# Altium PCB ui_brd_raton_v0.PcbDoc (part 3 of 4) (continued)
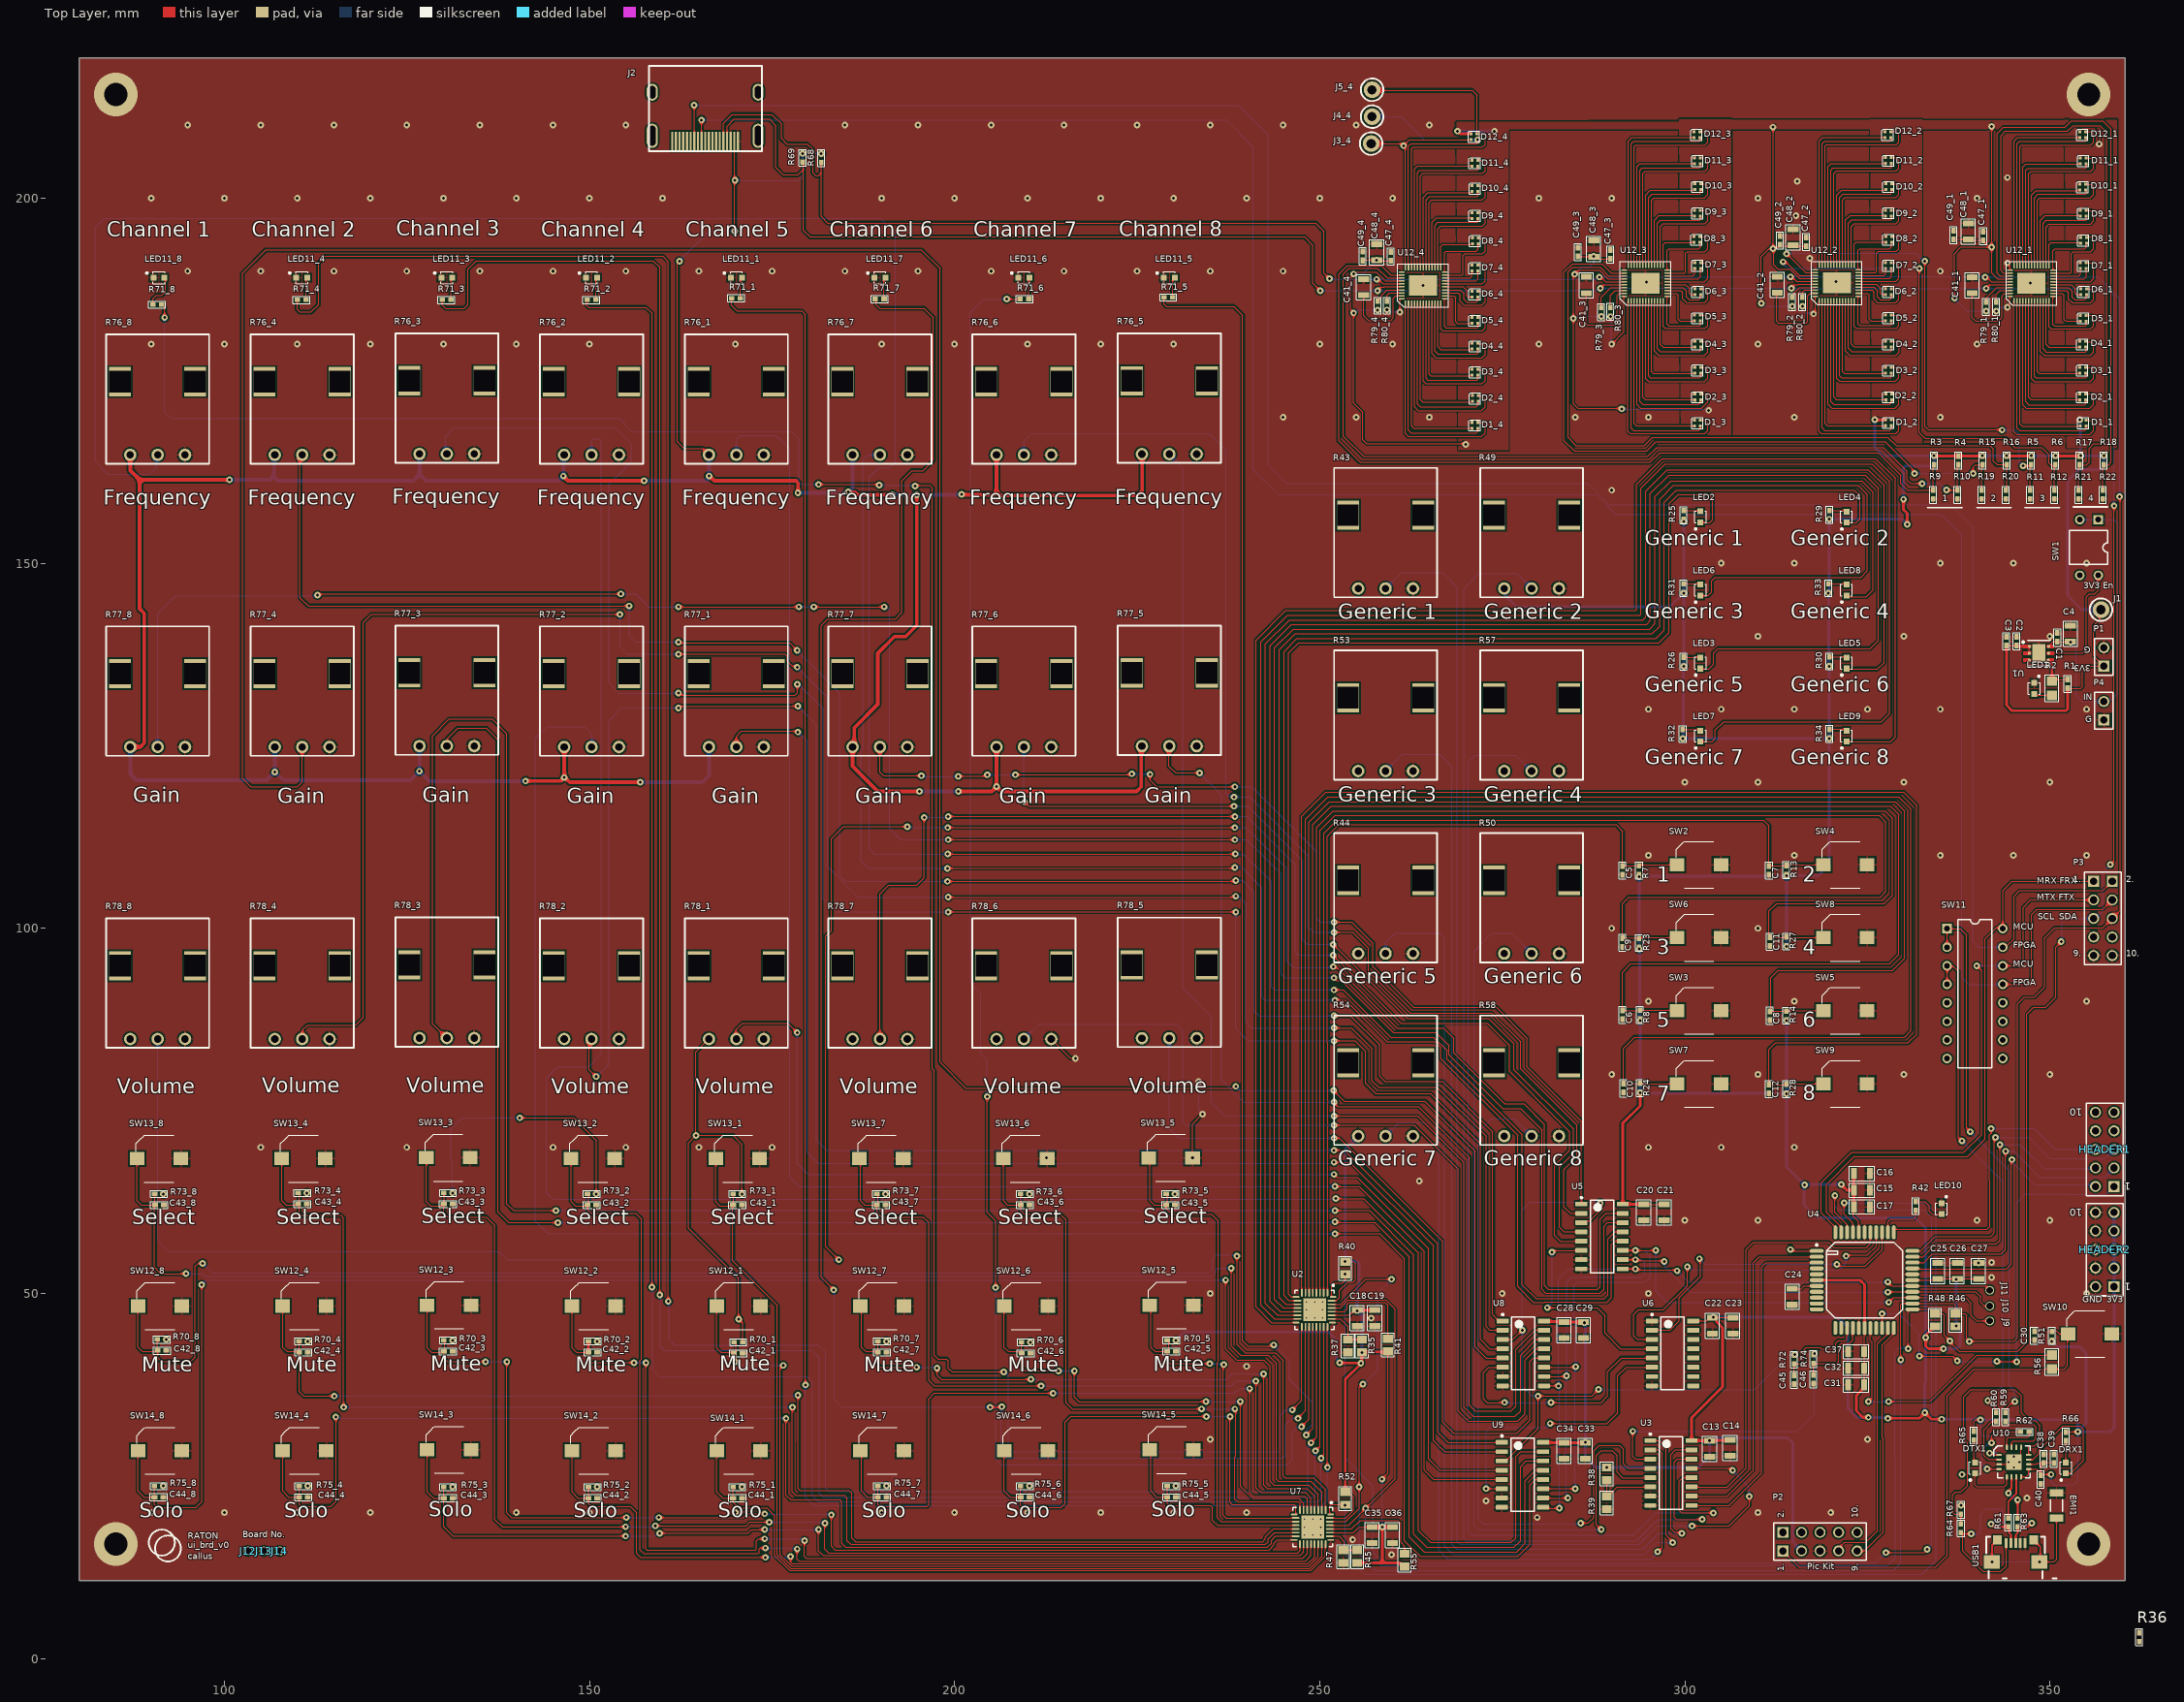
[diagram p0: Top Layer view]
## Nets (pads, with @x,y where several pads share a name; then routed paths per layer and width w, separated by ;. In a path a pad name is that pad's centre, name@x,y a point inside that pad or via, vN(x,y) a via of type N, cw(c..) or ccw(c..) an arc to the next point about the centre after c; other vN are vias at no path point) (continued)
  Bottom Layer w0.152: v1(253.487,52.621) 253.487,27.437 257.302,23.622 257.302,14.605 258.826,13.081 326.136,13.081 v1@327.533,14.478 ; v1(320.543,63.402) 320.543,61.981 321.056,61.468 332.74,61.468 333.82,60.388 333.82,15.558 333.197,14.935 v1(333.168,14.935)
IO_1: HEADER1.1 U4.20 | length 61.6
  Top Layer w0.152: U4.20@327.012,45.266 v1(327.012,47.231) 327.025,47.244 v1@327.025,47.498 ; v1(332.105,41.402) 336.677,41.402 v1(337.312,40.767) ; v1(342.718,40.682) 342.76,40.64 v1(345.44,40.64) v1@345.821,40.64
  Bottom Layer w0.152: v1(327.012,47.231) 329.324,47.231 332.105,44.45 v1(332.105,41.402) ; v1(337.312,40.767) 337.439,40.64 v1@342.646,40.64 ; v1(345.44,40.64) 345.44,62.357 346.71,63.627 352.17,63.627 352.234,63.563 357.695,63.563 HEADER1.1@358.775,64.643
IO_2: HEADER1.2 U4.30 | length 41.4
  Top Layer w0.152: U4.30@331.162,53.416 331.238,53.34 344.043,53.34 344.678,53.975 344.678,68.199 v1(344.805,68.326)
  Bottom Layer w0.152: v1(344.805,68.326) 344.805,68.124 344.741,68.061 347.905,64.897 355.981,64.897 HEADER1.2@356.235,64.643
IO_3: HEADER1.3 U4.31 | length 43.8
  Top Layer w0.152: U4.31@331.162,54.216 332.727,54.216 333.883,55.372 343.281,55.372 343.916,56.007 v1(343.916,69.469)
  Bottom Layer w0.152: v1(343.916,69.469) 345.059,69.469 348.615,65.913 357.505,65.913 HEADER1.3@358.775,67.183
IO_4: HEADER1.4 U4.32 | length 40.5
  Top Layer w0.152: U4.32@331.162,55.016 332.638,55.016 334.391,56.769 342.646,56.769 343.154,57.277 343.154,63.636 343.136,63.654 343.136,70.34 v1(343.154,70.358)
  Bottom Layer w0.152: v1(343.154,70.358) 345.948,70.358 349.25,67.056 356.108,67.056 HEADER1.4@356.235,67.183
IO_5: HEADER1.5 U4.33 | length 43.4
  Top Layer w0.152: U4.33@331.162,55.816 332.295,55.816 334.264,57.785 341.884,57.785 342.392,58.293 342.392,64.478 342.374,64.496 342.374,70.681 342.388,70.695 342.388,71.243 v1(342.519,71.374)
  Bottom Layer w0.152: v1(342.519,71.374) 342.582,71.31 347.154,71.31 350.012,68.453 357.505,68.453 HEADER1.5@358.775,69.723
IO_6: HEADER1.6 U4.34 | length 42.6
  Top Layer w0.152: U4.34@328.612,58.366 328.612,58.617 328.796,58.801 341.376,58.801 341.757,59.182 341.757,65.43 341.739,65.449 341.739,71.697 341.944,71.902 341.944,72.577 v1(341.947,72.581)
  Bottom Layer w0.152: v1(341.947,72.581) 347.789,72.581 350.647,69.723 HEADER1.6@356.235,69.723
LED1_B_1: D1_1.4 U12_1.3 | length 25.2
  Top Layer w0.152: U12_1.3@345.872,185.891 345.872,169.113 346.202,168.783 354.159,168.783 D1_1.4@354.165,168.789
LED1_B_2: D1_2.4 U12_2.3 | length 25.2
  Top Layer w0.152: U12_2.3@319.202,185.929 319.202,169.151 319.532,168.821 327.489,168.821 D1_2.4@327.495,168.827
LED1_B_3: D1_3.4 U12_3.3 | length 25.2
  Top Layer w0.152: U12_3.3@293.04,185.929 293.04,169.126 293.364,168.802 301.321,168.802 D1_3.4@301.327,168.808
LED1_B_4: D1_4.4 U12_4.3 | length 25.2
  Top Layer w0.152: U12_4.3@262.56,185.593 262.56,168.815 262.89,168.485 270.847,168.485 D1_4.4@270.853,168.491
LED1_G_1: D1_1.3 U12_1.2 | length 27.5
  Top Layer w0.152: U12_1.2@345.472,185.891 345.472,168.497 345.821,168.148 354.711,168.148 354.965,168.402 D1_1.3@354.965,168.789
LED1_G_2: D1_2.3 U12_2.2 | length 27.5
  Top Layer w0.152: U12_2.2@318.802,185.929 318.802,168.535 319.151,168.186 328.041,168.186 328.295,168.44 D1_2.3@328.295,168.827
LED1_G_3: D1_3.3 U12_3.2 | length 27.5
  Top Layer w0.152: U12_3.2@292.64,185.929 292.64,168.51 292.983,168.167 301.873,168.167 302.127,168.421 D1_3.3@302.127,168.808
LED1_G_4: D1_4.3 U12_4.2 | length 27.5
  Top Layer w0.152: U12_4.2@262.16,185.593 262.16,168.199 262.509,167.85 271.399,167.85 271.653,168.104 D1_4.3@271.653,168.491
LED1_R_1: D1_1.2 U12_1.1 | length 31.4
  Top Layer w0.152: U12_1.1@345.042,185.861 345.042,168.038 345.44,167.64 355.473,167.64 355.981,168.148 355.981,169.291 355.683,169.589 D1_1.2@354.965,169.589
LED1_R_2: D1_2.2 U12_2.1 | length 31.3
  Top Layer w0.152: U12_2.1@318.372,185.899 318.372,168.076 318.681,167.767 328.892,167.767 329.311,168.186 329.311,169.329 329.013,169.627 D1_2.2@328.295,169.627
LED1_R_3: D1_3.2 U12_3.1 | length 31.3
  Top Layer w0.152: U12_3.1@292.21,185.899 292.21,168.051 292.494,167.767 302.743,167.767 303.143,168.167 303.143,169.31 302.845,169.608 D1_3.2@302.127,169.608
LED1_R_4: D1_4.2 U12_4.1 | length 31.4
  Top Layer w0.152: U12_4.1@261.73,185.563 261.73,167.74 262.128,167.342 272.161,167.342 272.669,167.85 272.669,168.993 272.371,169.291 D1_4.2@271.653,169.291
LED2_B_1: D2_1.4 U12_1.6 | length 20.4
  Top Layer w0.152: U12_1.6@347.072,185.891 347.072,172.739 347.431,172.38 D2_1.4@354.165,172.38
LED2_B_2: D2_2.4 U12_2.6 | length 20.4
  Top Layer w0.152: U12_2.6@320.402,185.929 320.402,172.777 320.761,172.418 D2_2.4@327.495,172.418
LED2_B_3: D2_3.4 U12_3.6 | length 20.4
  Top Layer w0.152: U12_3.6@294.24,185.929 294.24,172.752 294.593,172.399 D2_3.4@301.327,172.399
LED2_B_4: D2_4.4 U12_4.6 | length 20.4
  Top Layer w0.152: U12_4.6@263.76,185.593 263.76,172.441 264.119,172.082 D2_4.4@270.853,172.082
LED2_G_1: D2_1.3 U12_1.5 | length 22.8
  Top Layer w0.152: U12_1.5@346.672,185.891 346.672,172.123 347.091,171.704 354.711,171.704 354.965,171.958 D2_1.3@354.965,172.38
LED2_G_2: D2_2.3 U12_2.5 | length 22.8
  Top Layer w0.152: U12_2.5@320.002,185.929 320.002,172.161 320.421,171.742 328.041,171.742 328.295,171.996 D2_2.3@328.295,172.418
LED2_G_3: D2_3.3 U12_3.5 | length 22.8
  Top Layer w0.152: U12_3.5@293.84,185.929 293.84,172.136 294.253,171.723 301.873,171.723 302.127,171.977 D2_3.3@302.127,172.399
LED2_G_4: D2_4.3 U12_4.5 | length 22.8
  Top Layer w0.152: U12_4.5@263.36,185.593 263.36,171.825 263.779,171.406 271.399,171.406 271.653,171.66 D2_4.3@271.653,172.082
LED2_R_1: D2_1.2 U12_1.4 | length 26.6
  Top Layer w0.152: U12_1.4@346.272,185.891 346.272,171.704 346.78,171.196 355.438,171.196 355.981,171.739 355.981,172.882 355.683,173.18 D2_1.2@354.965,173.18
LED2_R_2: D2_2.2 U12_2.4 | length 26.6
  Top Layer w0.152: U12_2.4@319.602,185.929 319.602,171.742 320.11,171.234 328.768,171.234 329.311,171.777 329.311,172.92 329.013,173.218 D2_2.2@328.295,173.218
LED2_R_3: D2_3.2 U12_3.4 | length 26.4
  Top Layer w0.152: U12_3.4@293.44,185.929 293.44,171.717 293.942,171.215 302.279,171.215 303.143,172.079 303.143,172.901 302.845,173.199 D2_3.2@302.127,173.199
LED2_R_4: D2_4.2 U12_4.4 | length 26.6
  Top Layer w0.152: U12_4.4@262.96,185.593 262.96,171.406 263.468,170.898 272.126,170.898 272.669,171.441 272.669,172.584 272.371,172.882 D2_4.2@271.653,172.882
LED3_B_1: D3_1.4 U12_1.9 | length 15.7
  Top Layer w0.152: U12_1.9@348.272,185.891 348.272,176.238 348.54,175.97 D3_1.4@354.165,175.97
LED3_B_2: D3_2.4 U12_2.9 | length 15.7
  Top Layer w0.152: U12_2.9@321.602,185.929 321.602,176.276 321.87,176.008 D3_2.4@327.495,176.008
LED3_B_3: D3_3.4 U12_3.9 | length 15.7
  Top Layer w0.152: U12_3.9@295.434,185.91 295.434,176.257 295.702,175.989 D3_3.4@301.327,175.989
LED3_B_4: D3_4.4 U12_4.9 | length 15.7
  Top Layer w0.152: U12_4.9@264.96,185.593 264.96,175.94 265.228,175.672 D3_4.4@270.853,175.672
LED3_G_1: D3_1.3 U12_1.8 | length 18
  Top Layer w0.152: U12_1.8@347.872,185.891 347.872,175.622 348.107,175.387 354.876,175.387 354.965,175.476 D3_1.3@354.965,175.97
LED3_G_2: D3_2.3 U12_2.8 | length 18
  Top Layer w0.152: U12_2.8@321.202,185.929 321.202,175.66 321.437,175.425 328.206,175.425 328.295,175.514 D3_2.3@328.295,176.008
LED3_G_3: D3_3.3 U12_3.8 | length 18
  Top Layer w0.152: U12_3.8@295.034,185.91 295.034,175.641 295.269,175.406 302.038,175.406 302.127,175.495 D3_3.3@302.127,175.989
LED3_G_4: D3_4.3 U12_4.8 | length 18
  Top Layer w0.152: U12_4.8@264.56,185.593 264.56,175.324 264.795,175.089 271.564,175.089 271.653,175.178 D3_4.3@271.653,175.672
LED3_R_1: D3_1.2 U12_1.7 | length 21.8
  Top Layer w0.152: U12_1.7@347.472,185.891 347.472,175.26 347.853,174.879 355.531,174.879 355.981,175.329 355.981,176.472 355.683,176.77 D3_1.2@354.965,176.77
LED3_R_2: D3_2.2 U12_2.7 | length 21.8
  Top Layer w0.152: U12_2.7@320.802,185.929 320.802,175.298 321.183,174.917 328.861,174.917 329.311,175.367 329.311,176.51 329.013,176.808 D3_2.2@328.295,176.808
LED3_R_3: D3_3.2 U12_3.7 | length 21.8
  Top Layer w0.152: U12_3.7@294.64,185.929 294.64,175.273 295.015,174.898 302.693,174.898 303.143,175.348 303.143,176.491 302.845,176.789 D3_3.2@302.127,176.789
LED3_R_4: D3_4.2 U12_4.7 | length 21.8
  Top Layer w0.152: U12_4.7@264.16,185.593 264.16,174.962 264.541,174.581 272.219,174.581 272.669,175.031 272.669,176.174 272.371,176.472 D3_4.2@271.653,176.472
LED4_B_1: D4_1.4 U12_1.12 | length 10.8
  Top Layer w0.152: U12_1.12@349.472,185.891 349.472,179.991 349.885,179.578 354.148,179.578 D4_1.4@354.165,179.561
LED4_B_2: D4_2.4 U12_2.12 | length 10.8
  Top Layer w0.152: U12_2.12@322.802,185.929 322.802,180.029 323.215,179.616 327.478,179.616 D4_2.4@327.495,179.599
LED4_B_3: D4_3.4 U12_3.12 | length 10.8
  Top Layer w0.152: U12_3.12@296.634,185.91 296.634,180.01 297.047,179.597 301.31,179.597 D4_3.4@301.327,179.58
LED4_B_4: D4_4.4 U12_4.12 | length 10.8
  Top Layer w0.152: U12_4.12@266.16,185.593 266.16,179.693 266.573,179.28 270.836,179.28 D4_4.4@270.853,179.263
LED4_G_1: D4_1.3 U12_1.11 | length 13.1
  Top Layer w0.152: U12_1.11@349.072,185.891 349.072,179.375 349.504,178.943 354.838,178.943 354.965,179.07 D4_1.3@354.965,179.561
LED4_G_2: D4_2.3 U12_2.11 | length 13.1
  Top Layer w0.152: U12_2.11@322.402,185.929 322.402,179.413 322.834,178.981 328.168,178.981 328.295,179.108 D4_2.3@328.295,179.599
LED4_G_3: D4_3.3 U12_3.11 | length 13.1
  Top Layer w0.152: U12_3.11@296.234,185.91 296.234,179.394 296.666,178.962 302,178.962 302.127,179.089 D4_3.3@302.127,179.58
LED4_G_4: D4_4.3 U12_4.11 | length 13.1
  Top Layer w0.152: U12_4.11@265.76,185.593 265.76,179.077 266.192,178.645 271.526,178.645 271.653,178.772 D4_4.3@271.653,179.263
LED4_R_1: D4_1.2 U12_1.10 | length 17
  Top Layer w0.152: U12_1.10@348.672,185.891 348.672,179.013 349.25,178.435 355.538,178.435 356.002,178.899 356.002,180.042 355.704,180.34 354.986,180.34 D4_1.2@354.965,180.361
LED4_R_2: D4_2.2 U12_2.10 | length 17
  Top Layer w0.152: U12_2.10@322.002,185.929 322.002,179.051 322.58,178.473 328.868,178.473 329.332,178.937 329.332,180.08 329.034,180.378 328.316,180.378 D4_2.2@328.295,180.399
LED4_R_3: D4_3.2 U12_3.10 | length 17
  Top Layer w0.152: U12_3.10@295.834,185.91 295.834,179.032 296.412,178.454 302.7,178.454 303.164,178.918 303.164,180.061 302.866,180.359 302.148,180.359 D4_3.2@302.127,180.38
LED4_R_4: D4_4.2 U12_4.10 | length 17
  Top Layer w0.152: U12_4.10@265.36,185.593 265.36,178.715 265.938,178.137 272.226,178.137 272.69,178.601 272.69,179.744 272.392,180.042 271.674,180.042 D4_4.2@271.653,180.063
LED5_B_1: D5_1.4 U12_1.15 | length 7.3
  Top Layer w0.152: U12_1.15@350.422,186.941 351.666,186.941 351.917,186.69 351.917,183.388 352.171,183.134 354.147,183.134 D5_1.4@354.165,183.152
LED5_B_2: D5_2.4 U12_2.15 | length 7.3
  Top Layer w0.152: U12_2.15@323.752,186.979 324.996,186.979 325.247,186.728 325.247,183.426 325.501,183.172 327.477,183.172 D5_2.4@327.495,183.19
LED5_B_3: D5_3.4 U12_3.15 | length 7.3
  Top Layer w0.152: U12_3.15@297.584,186.96 298.828,186.96 299.079,186.709 299.079,183.407 299.333,183.153 301.309,183.153 D5_3.4@301.327,183.171
LED5_B_4: D5_4.4 U12_4.15 | length 7.3
  Top Layer w0.152: U12_4.15@267.11,186.643 268.354,186.643 268.605,186.392 268.605,183.09 268.859,182.836 270.835,182.836 D5_4.4@270.853,182.854
LED5_G_1: D5_1.3 U12_1.14 | length 9
  Top Layer w0.152: U12_1.14@350.422,186.541 350.422,182.724 350.647,182.499 354.838,182.499 354.965,182.626 D5_1.3@354.965,183.152
LED5_G_2: D5_2.3 U12_2.14 | length 9
  Top Layer w0.152: U12_2.14@323.752,186.579 323.752,182.762 323.977,182.537 328.168,182.537 328.295,182.664 D5_2.3@328.295,183.19
LED5_G_3: D5_3.3 U12_3.14 | length 9
  Top Layer w0.152: U12_3.14@297.584,186.56 297.584,182.743 297.809,182.518 302,182.518 302.127,182.645 D5_3.3@302.127,183.171
LED5_G_4: D5_4.3 U12_4.14 | length 9
  Top Layer w0.152: U12_4.14@267.11,186.243 267.11,182.426 267.335,182.201 271.526,182.201 271.653,182.328 D5_4.3@271.653,182.854
LED5_R_1: D5_1.2 U12_1.13 | length 12.2
  Top Layer w0.152: U12_1.13@349.872,185.891 349.872,182.385 350.139,182.118 355.6,182.118 ; D5_1.2@354.965,183.952 355.683,183.952 355.981,183.654 355.981,182.511 355.6,182.13
LED5_R_2: D5_2.2 U12_2.13 | length 12.2
  Top Layer w0.152: U12_2.13@323.202,185.929 323.202,182.423 323.469,182.156 328.93,182.156 ; D5_2.2@328.295,183.99 329.013,183.99 329.311,183.692 329.311,182.549 328.93,182.168
LED5_R_3: D5_3.2 U12_3.13 | length 12.2
  Top Layer w0.152: U12_3.13@297.034,185.91 297.034,182.404 297.301,182.137 302.762,182.137 ; D5_3.2@302.127,183.971 302.845,183.971 303.143,183.673 303.143,182.53 302.762,182.149
LED5_R_4: D5_4.2 U12_4.13 | length 12.2
  Top Layer w0.152: U12_4.13@266.56,185.593 266.56,182.087 266.827,181.82 272.288,181.82 ; D5_4.2@271.653,183.654 272.371,183.654 272.669,183.356 272.669,182.213 272.288,181.832
LED6_B_1: D6_1.4 U12_1.18 | length 4.7
  Top Layer w0.152: U12_1.18@350.422,188.141 352.933,188.141 353.441,187.633 353.441,186.944 353.643,186.742 D6_1.4@354.165,186.742
LED6_B_2: D6_2.4 U12_2.18 | length 4.7
  Top Layer w0.152: U12_2.18@323.752,188.179 326.263,188.179 326.771,187.671 326.771,186.982 326.973,186.78 D6_2.4@327.495,186.78
LED6_B_3: D6_3.4 U12_3.18 | length 4.7
  Top Layer w0.152: U12_3.18@297.584,188.16 300.095,188.16 300.603,187.652 300.603,186.963 300.805,186.761 D6_3.4@301.327,186.761
LED6_B_4: D6_4.4 U12_4.18 | length 4.7
  Top Layer w0.152: U12_4.18@267.11,187.843 269.621,187.843 270.129,187.335 270.129,186.646 270.331,186.444 D6_4.4@270.853,186.444
LED6_G_1: D6_1.3 U12_1.17 | length 6.2
  Top Layer w0.152: U12_1.17@350.422,187.741 352.552,187.741 353.06,187.233 353.06,186.436 353.441,186.055 354.711,186.055 354.965,186.309 D6_1.3@354.965,186.742
LED6_G_2: D6_2.3 U12_2.17 | length 6.2
  Top Layer w0.152: U12_2.17@323.752,187.779 325.882,187.779 326.39,187.271 326.39,186.474 326.771,186.093 328.041,186.093 328.295,186.347 D6_2.3@328.295,186.78
LED6_G_3: D6_3.3 U12_3.17 | length 6.2
  Top Layer w0.152: U12_3.17@297.584,187.76 299.714,187.76 300.222,187.252 300.222,186.455 300.603,186.074 301.873,186.074 302.127,186.328 D6_3.3@302.127,186.761
LED6_G_4: D6_4.3 U12_4.17 | length 6.2
  Top Layer w0.152: U12_4.17@267.11,187.443 269.24,187.443 269.748,186.935 269.748,186.138 270.129,185.757 271.399,185.757 271.653,186.011 D6_4.3@271.653,186.444
LED6_R_1: D6_1.2 U12_1.16 | length 9.2
  Top Layer w0.152: U12_1.16@350.422,187.341 352.282,187.341 352.552,187.071 352.552,186.182 353.06,185.674 355.554,185.674 355.981,186.101 355.981,187.244 355.683,187.542 D6_1.2@354.965,187.542
LED6_R_2: D6_2.2 U12_2.16 | length 9.2
  Top Layer w0.152: U12_2.16@323.752,187.379 325.612,187.379 325.882,187.109 325.882,186.22 326.39,185.712 328.884,185.712 329.311,186.139 329.311,187.282 329.013,187.58 D6_2.2@328.295,187.58
LED6_R_3: D6_3.2 U12_3.16 | length 9.2
  Top Layer w0.152: U12_3.16@297.584,187.36 299.444,187.36 299.714,187.09 299.714,186.201 300.222,185.693 302.716,185.693 303.143,186.12 303.143,187.263 302.845,187.561 D6_3.2@302.127,187.561
LED6_R_4: D6_4.2 U12_4.16 | length 9.2
  Top Layer w0.152: U12_4.16@267.11,187.043 268.97,187.043 269.24,186.773 269.24,185.884 269.748,185.376 272.242,185.376 272.669,185.803 272.669,186.946 272.371,187.244 D6_4.2@271.653,187.244
LED7_B_1: D7_1.4 U12_1.21 | length 4.6
  Top Layer w0.152: U12_1.21@350.422,189.341 353.933,189.341 354.165,189.573 D7_1.4@354.165,190.333
LED7_B_2: D7_2.4 U12_2.21 | length 4.6
  Top Layer w0.152: U12_2.21@323.752,189.379 327.263,189.379 327.495,189.611 D7_2.4@327.495,190.371
LED7_B_3: D7_3.4 U12_3.21 | length 4.6
  Top Layer w0.152: U12_3.21@297.584,189.36 301.095,189.36 301.327,189.592 D7_3.4@301.327,190.352
LED7_B_4: D7_4.4 U12_4.21 | length 4.6
  Top Layer w0.152: U12_4.21@267.11,189.043 270.621,189.043 270.853,189.275 D7_4.4@270.853,190.035
LED7_G_1: D7_1.3 U12_1.20 | length 5.8
  Top Layer w0.152: U12_1.20@350.422,188.941 354.676,188.941 354.965,189.23 D7_1.3@354.965,190.333
LED7_G_2: D7_2.3 U12_2.20 | length 5.8
  Top Layer w0.152: U12_2.20@323.752,188.979 328.006,188.979 328.295,189.268 D7_2.3@328.295,190.371
LED7_G_3: D7_3.3 U12_3.20 | length 5.8
  Top Layer w0.152: U12_3.20@297.584,188.96 301.838,188.96 302.127,189.249 D7_3.3@302.127,190.352
LED7_G_4: D7_4.3 U12_4.20 | length 5.8
  Top Layer w0.152: U12_4.20@267.11,188.643 271.364,188.643 271.653,188.932 D7_4.3@271.653,190.035
LED7_R_1: D7_1.2 U12_1.19 | length 8.7
  Top Layer w0.152: U12_1.19@350.422,188.541 355.546,188.541 355.981,188.976 355.981,190.835 355.683,191.133 D7_1.2@354.965,191.133
LED7_R_2: D7_2.2 U12_2.19 | length 8.7
  Top Layer w0.152: U12_2.19@323.752,188.579 328.876,188.579 329.311,189.014 329.311,190.873 329.013,191.171 D7_2.2@328.295,191.171
LED7_R_3: D7_3.2 U12_3.19 | length 8.7
  Top Layer w0.152: U12_3.19@297.584,188.56 302.708,188.56 303.143,188.995 303.143,190.854 302.845,191.152 D7_3.2@302.127,191.152
LED7_R_4: D7_4.2 U12_4.19 | length 8.7
  Top Layer w0.152: U12_4.19@267.11,188.243 272.234,188.243 272.669,188.678 272.669,190.537 272.371,190.835 D7_4.2@271.653,190.835
LED8_B_1: D8_1.4 U12_1.24 | length 7.3
  Top Layer w0.152: U12_1.24@349.872,190.791 349.872,193.662 350.139,193.929 354.159,193.929 D8_1.4@354.165,193.923
LED8_B_2: D8_2.4 U12_2.24 | length 7.3
  Top Layer w0.152: U12_2.24@323.202,190.829 323.202,193.7 323.469,193.967 327.489,193.967 D8_2.4@327.495,193.961
LED8_B_3: D8_3.4 U12_3.24 | length 7.3
  Top Layer w0.152: U12_3.24@297.034,190.81 297.034,193.681 297.301,193.948 301.321,193.948 D8_3.4@301.327,193.942
LED8_B_4: D8_4.4 U12_4.24 | length 7.3
  Top Layer w0.152: U12_4.24@266.56,190.493 266.56,193.364 266.827,193.631 270.847,193.631 D8_4.4@270.853,193.625
LED8_G_1: D8_1.3 U12_1.23 | length 8
  Top Layer w0.152: U12_1.23@350.422,190.141 350.422,192.815 350.647,193.04 354.711,193.04 354.965,193.294 D8_1.3@354.965,193.923
LED8_G_2: D8_2.3 U12_2.23 | length 8
  Top Layer w0.152: U12_2.23@323.752,190.179 323.752,192.853 323.977,193.078 328.041,193.078 328.295,193.332 D8_2.3@328.295,193.961
LED8_G_3: D8_3.3 U12_3.23 | length 8
  Top Layer w0.152: U12_3.23@297.584,190.16 297.584,192.834 297.809,193.059 301.873,193.059 302.127,193.313 D8_3.3@302.127,193.942
LED8_G_4: D8_4.3 U12_4.23 | length 8
  Top Layer w0.152: U12_4.23@267.11,189.843 267.11,192.517 267.335,192.742 271.399,192.742 271.653,192.996 D8_4.3@271.653,193.625
LED8_R_1: D8_1.2 U12_1.22 | length 10.9
  Top Layer w0.152: U12_1.22@350.422,189.741 352.809,189.741 352.933,189.865 352.933,192.405 353.187,192.659 355.6,192.659 355.981,193.04 355.981,194.425 355.683,194.723 D8_1.2@354.965,194.723
LED8_R_2: D8_2.2 U12_2.22 | length 10.9
  Top Layer w0.152: U12_2.22@323.752,189.779 326.139,189.779 326.263,189.903 326.263,192.443 326.517,192.697 328.93,192.697 329.311,193.078 329.311,194.463 329.013,194.761 D8_2.2@328.295,194.761
LED8_R_3: D8_3.2 U12_3.22 | length 10.9
  Top Layer w0.152: U12_3.22@297.584,189.76 299.971,189.76 300.095,189.884 300.095,192.424 300.349,192.678 302.762,192.678 303.143,193.059 303.143,194.444 302.845,194.742 D8_3.2@302.127,194.742
LED8_R_4: D8_4.2 U12_4.22 | length 10.9
  Top Layer w0.152: U12_4.22@267.11,189.443 269.497,189.443 269.621,189.567 269.621,192.107 269.875,192.361 272.288,192.361 272.669,192.742 272.669,194.127 272.371,194.425 D8_4.2@271.653,194.425
LED9_B_1: D9_1.4 U12_1.27 | length 12
  Top Layer w0.152: U12_1.27@348.672,190.791 348.672,196.977 349.307,197.612 354.067,197.612 D9_1.4@354.165,197.514
LED9_B_2: D9_2.4 U12_2.27 | length 12
  Top Layer w0.152: U12_2.27@322.002,190.829 322.002,197.015 322.637,197.65 327.397,197.65 D9_2.4@327.495,197.552
LED9_B_3: D9_3.4 U12_3.27 | length 12
  Top Layer w0.152: U12_3.27@295.834,190.81 295.834,196.996 296.469,197.631 301.229,197.631 D9_3.4@301.327,197.533
LED9_B_4: D9_4.4 U12_4.27 | length 12
  Top Layer w0.152: U12_4.27@265.36,190.493 265.36,196.679 265.995,197.314 270.755,197.314 D9_4.4@270.853,197.216
LED9_G_1: D9_1.3 U12_1.26 | length 12.3
  Top Layer w0.152: U12_1.26@349.072,190.791 349.072,196.545 349.504,196.977 354.876,196.977 354.965,197.066 D9_1.3@354.965,197.514
LED9_G_2: D9_2.3 U12_2.26 | length 12.3
  Top Layer w0.152: U12_2.26@322.402,190.829 322.402,196.583 322.834,197.015 328.206,197.015 328.295,197.104 D9_2.3@328.295,197.552
LED9_G_3: D9_3.3 U12_3.26 | length 12.3
  Top Layer w0.152: U12_3.26@296.234,190.81 296.234,196.564 296.666,196.996 302.038,196.996 302.127,197.085 D9_3.3@302.127,197.533
LED9_G_4: D9_4.3 U12_4.26 | length 12.3
  Top Layer w0.152: U12_4.26@265.76,190.493 265.76,196.247 266.192,196.679 271.564,196.679 271.653,196.768 D9_4.3@271.653,197.216
LED9_R_1: D9_1.2 U12_1.25 | length 14.4
  Top Layer w0.152: U12_1.25@349.472,190.791 349.472,196.056 349.885,196.469 355.577,196.469 355.981,196.873 355.981,198.016 355.683,198.314 D9_1.2@354.965,198.314
LED9_R_2: D9_2.2 U12_2.25 | length 14.4
  Top Layer w0.152: U12_2.25@322.802,190.829 322.802,196.094 323.215,196.507 328.907,196.507 329.311,196.911 329.311,198.054 329.013,198.352 D9_2.2@328.295,198.352
LED9_R_3: D9_3.2 U12_3.25 | length 14.4
  Top Layer w0.152: U12_3.25@296.634,190.81 296.634,196.075 297.047,196.488 302.739,196.488 303.143,196.892 303.143,198.035 302.845,198.333 D9_3.2@302.127,198.333
LED9_R_4: D9_4.2 U12_4.25 | length 14.4
  Top Layer w0.152: U12_4.25@266.16,190.493 266.16,195.758 266.573,196.171 272.265,196.171 272.669,196.575 272.669,197.718 272.371,198.016 D9_4.2@271.653,198.016
LED10_B_1: D10_1.4 U12_1.30 | length 16.6
  Top Layer w0.152: U12_1.30@347.472,190.791 347.472,200.406 348.107,201.041 354.101,201.041 D10_1.4@354.165,201.105
LED10_B_2: D10_2.4 U12_2.30 | length 16.6
  Top Layer w0.152: U12_2.30@320.802,190.829 320.802,200.444 321.437,201.079 327.431,201.079 D10_2.4@327.495,201.143
LED10_B_3: D10_3.4 U12_3.30 | length 16.6
  Top Layer w0.152: U12_3.30@294.634,190.81 294.634,200.425 295.269,201.06 301.263,201.06 D10_3.4@301.327,201.124
LED10_B_4: D10_4.4 U12_4.30 | length 16.6
  Top Layer w0.152: U12_4.30@264.16,190.493 264.16,200.108 264.795,200.743 270.789,200.743 D10_4.4@270.853,200.807
LED10_G_1: D10_1.3 U12_1.29 | length 17.1
  Top Layer w0.152: U12_1.29@347.872,190.791 347.872,200.044 348.361,200.533 354.876,200.533 354.965,200.622 D10_1.3@354.965,201.105
LED10_G_2: D10_2.3 U12_2.29 | length 17.1
  Top Layer w0.152: U12_2.29@321.202,190.829 321.202,200.082 321.691,200.571 328.206,200.571 328.295,200.66 D10_2.3@328.295,201.143
LED10_G_3: D10_3.3 U12_3.29 | length 17.1
  Top Layer w0.152: U12_3.29@295.034,190.81 295.034,200.063 295.523,200.552 302.038,200.552 302.127,200.641 D10_3.3@302.127,201.124
LED10_G_4: D10_4.3 U12_4.29 | length 17.1
  Top Layer w0.152: U12_4.29@264.56,190.493 264.56,199.746 265.049,200.235 271.564,200.235 271.653,200.324 D10_4.3@271.653,200.807
LED10_R_1: D10_1.2 U12_1.28 | length 19.2
  Top Layer w0.152: U12_1.28@348.272,190.791 348.272,199.682 348.615,200.025 355.542,200.025 355.981,200.464 355.981,201.607 355.683,201.905 D10_1.2@354.965,201.905
LED10_R_2: D10_2.2 U12_2.28 | length 19.2
  Top Layer w0.152: U12_2.28@321.602,190.829 321.602,199.72 321.945,200.063 328.872,200.063 329.311,200.502 329.311,201.645 329.013,201.943 D10_2.2@328.295,201.943
LED10_R_3: D10_3.2 U12_3.28 | length 19.2
  Top Layer w0.152: U12_3.28@295.434,190.81 295.434,199.701 295.777,200.044 302.704,200.044 303.143,200.483 303.143,201.626 302.845,201.924 D10_3.2@302.127,201.924
LED10_R_4: D10_4.2 U12_4.28 | length 19.2
  Top Layer w0.152: U12_4.28@264.96,190.493 264.96,199.384 265.303,199.727 272.23,199.727 272.669,200.166 272.669,201.309 272.371,201.607 D10_4.2@271.653,201.607
LED11_B_1: D11_1.4 U12_1.33 | length 21.6
  Top Layer w0.152: U12_1.33@346.272,190.791 346.272,204.286 346.681,204.695 D11_1.4@354.165,204.695
LED11_B_2: D11_2.4 U12_2.33 | length 21.6
  Top Layer w0.152: U12_2.33@319.602,190.829 319.602,204.324 320.011,204.733 D11_2.4@327.495,204.733
LED11_B_3: D11_3.4 U12_3.33 | length 21.6
  Top Layer w0.152: U12_3.33@293.434,190.81 293.434,204.305 293.843,204.714 D11_3.4@301.327,204.714
LED11_B_4: D11_4.4 U12_4.33 | length 21.6
  Top Layer w0.152: U12_4.33@262.96,190.493 262.96,203.988 263.369,204.397 D11_4.4@270.853,204.397
LED11_G_1: D11_1.3 U12_1.32 | length 22
  Top Layer w0.152: U12_1.32@346.672,190.791 346.672,203.797 346.964,204.089 354.876,204.089 354.965,204.178 D11_1.3@354.965,204.695
LED11_G_2: D11_2.3 U12_2.32 | length 22
  Top Layer w0.152: U12_2.32@320.002,190.829 320.002,203.835 320.294,204.127 328.206,204.127 328.295,204.216 D11_2.3@328.295,204.733
LED11_G_3: D11_3.3 U12_3.32 | length 22
  Top Layer w0.152: U12_3.32@293.834,190.81 293.834,203.816 294.126,204.108 302.038,204.108 302.127,204.197 D11_3.3@302.127,204.714
LED11_G_4: D11_4.3 U12_4.32 | length 22
  Top Layer w0.152: U12_4.32@263.36,190.493 263.36,203.499 263.652,203.791 271.564,203.791 271.653,203.88 D11_4.3@271.653,204.397
LED11_R_1: D11_1.2 U12_1.31 | length 24
  Top Layer w0.152: U12_1.31@347.072,190.791 347.072,203.308 347.437,203.673 355.6,203.673 355.981,204.054 355.981,205.197 355.683,205.495 D11_1.2@354.965,205.495
LED11_R_2: D11_2.2 U12_2.31 | length 24
  Top Layer w0.152: U12_2.31@320.402,190.829 320.402,203.346 320.767,203.711 328.93,203.711 329.311,204.092 329.311,205.235 329.013,205.533 D11_2.2@328.295,205.533
LED11_R_3: D11_3.2 U12_3.31 | length 24
  Top Layer w0.152: U12_3.31@294.234,190.81 294.234,203.327 294.599,203.692 302.762,203.692 303.143,204.073 303.143,205.216 302.845,205.514 D11_3.2@302.127,205.514
LED11_R_4: D11_4.2 U12_4.31 | length 24
  Top Layer w0.152: U12_4.31@263.76,190.493 263.76,203.01 264.125,203.375 272.288,203.375 272.669,203.756 272.669,204.899 272.371,205.197 D11_4.2@271.653,205.197
LED12_B_1: D12_1.4 U12_1.36 | length 26.3
  Top Layer w0.152: U12_1.36@345.072,190.791 345.072,207.785 345.573,208.286 D12_1.4@354.165,208.286
LED12_B_2: D12_2.4 U12_2.36 | length 26.3
  Top Layer w0.152: U12_2.36@318.402,190.829 318.402,207.823 318.903,208.324 D12_2.4@327.495,208.324
LED12_B_3: D12_3.4 U12_3.36 | length 26.3
  Top Layer w0.152: U12_3.36@292.234,190.81 292.234,207.804 292.735,208.305 D12_3.4@301.327,208.305
LED12_B_4: D12_4.4 J3_4.1 U12_4.36 | length 31.3
  Top Layer w0.152: J3_4.1@257.048,207.474 261.169,207.474 v1@261.76,206.883 ; U12_4.36@261.76,190.493 v1@261.76,206.883 ; D12_4.4@270.853,207.988 262.261,207.988 261.76,207.487 v1@261.76,206.883
  other v1: 261.464,207.179
LED12_G_1: D12_1.3 U12_1.35 | length 26.7
  Top Layer w0.152: U12_1.35@345.472,190.791 345.472,207.423 345.805,207.756 354.822,207.756 354.965,207.899 D12_1.3@354.965,208.286
LED12_G_2: D12_2.3 U12_2.35 | length 26.7
  Top Layer w0.152: U12_2.35@318.802,190.829 318.802,207.461 319.135,207.794 323.605,207.794 323.643,207.756 328.114,207.756 328.295,207.937 D12_2.3@328.295,208.324
LED12_G_3: D12_3.3 U12_3.35 | length 26.7
  Top Layer w0.152: U12_3.35@292.634,190.81 292.634,207.442 292.967,207.775 297.255,207.775 297.274,207.756 301.965,207.756 302.127,207.918 D12_3.3@302.127,208.305